# Altium PCB 蓝桥杯2.0.PcbDoc (part 1 of 2)
Units mm, origin at the board's own origin, x right, y up, seen from the top; angles counter-clockwise.
Board outline 200.03 x 140.08 mm, 2 copper layers (Top Layer, Bottom Layer); 155 components, 169 nets, 963 pads, 197 vias.
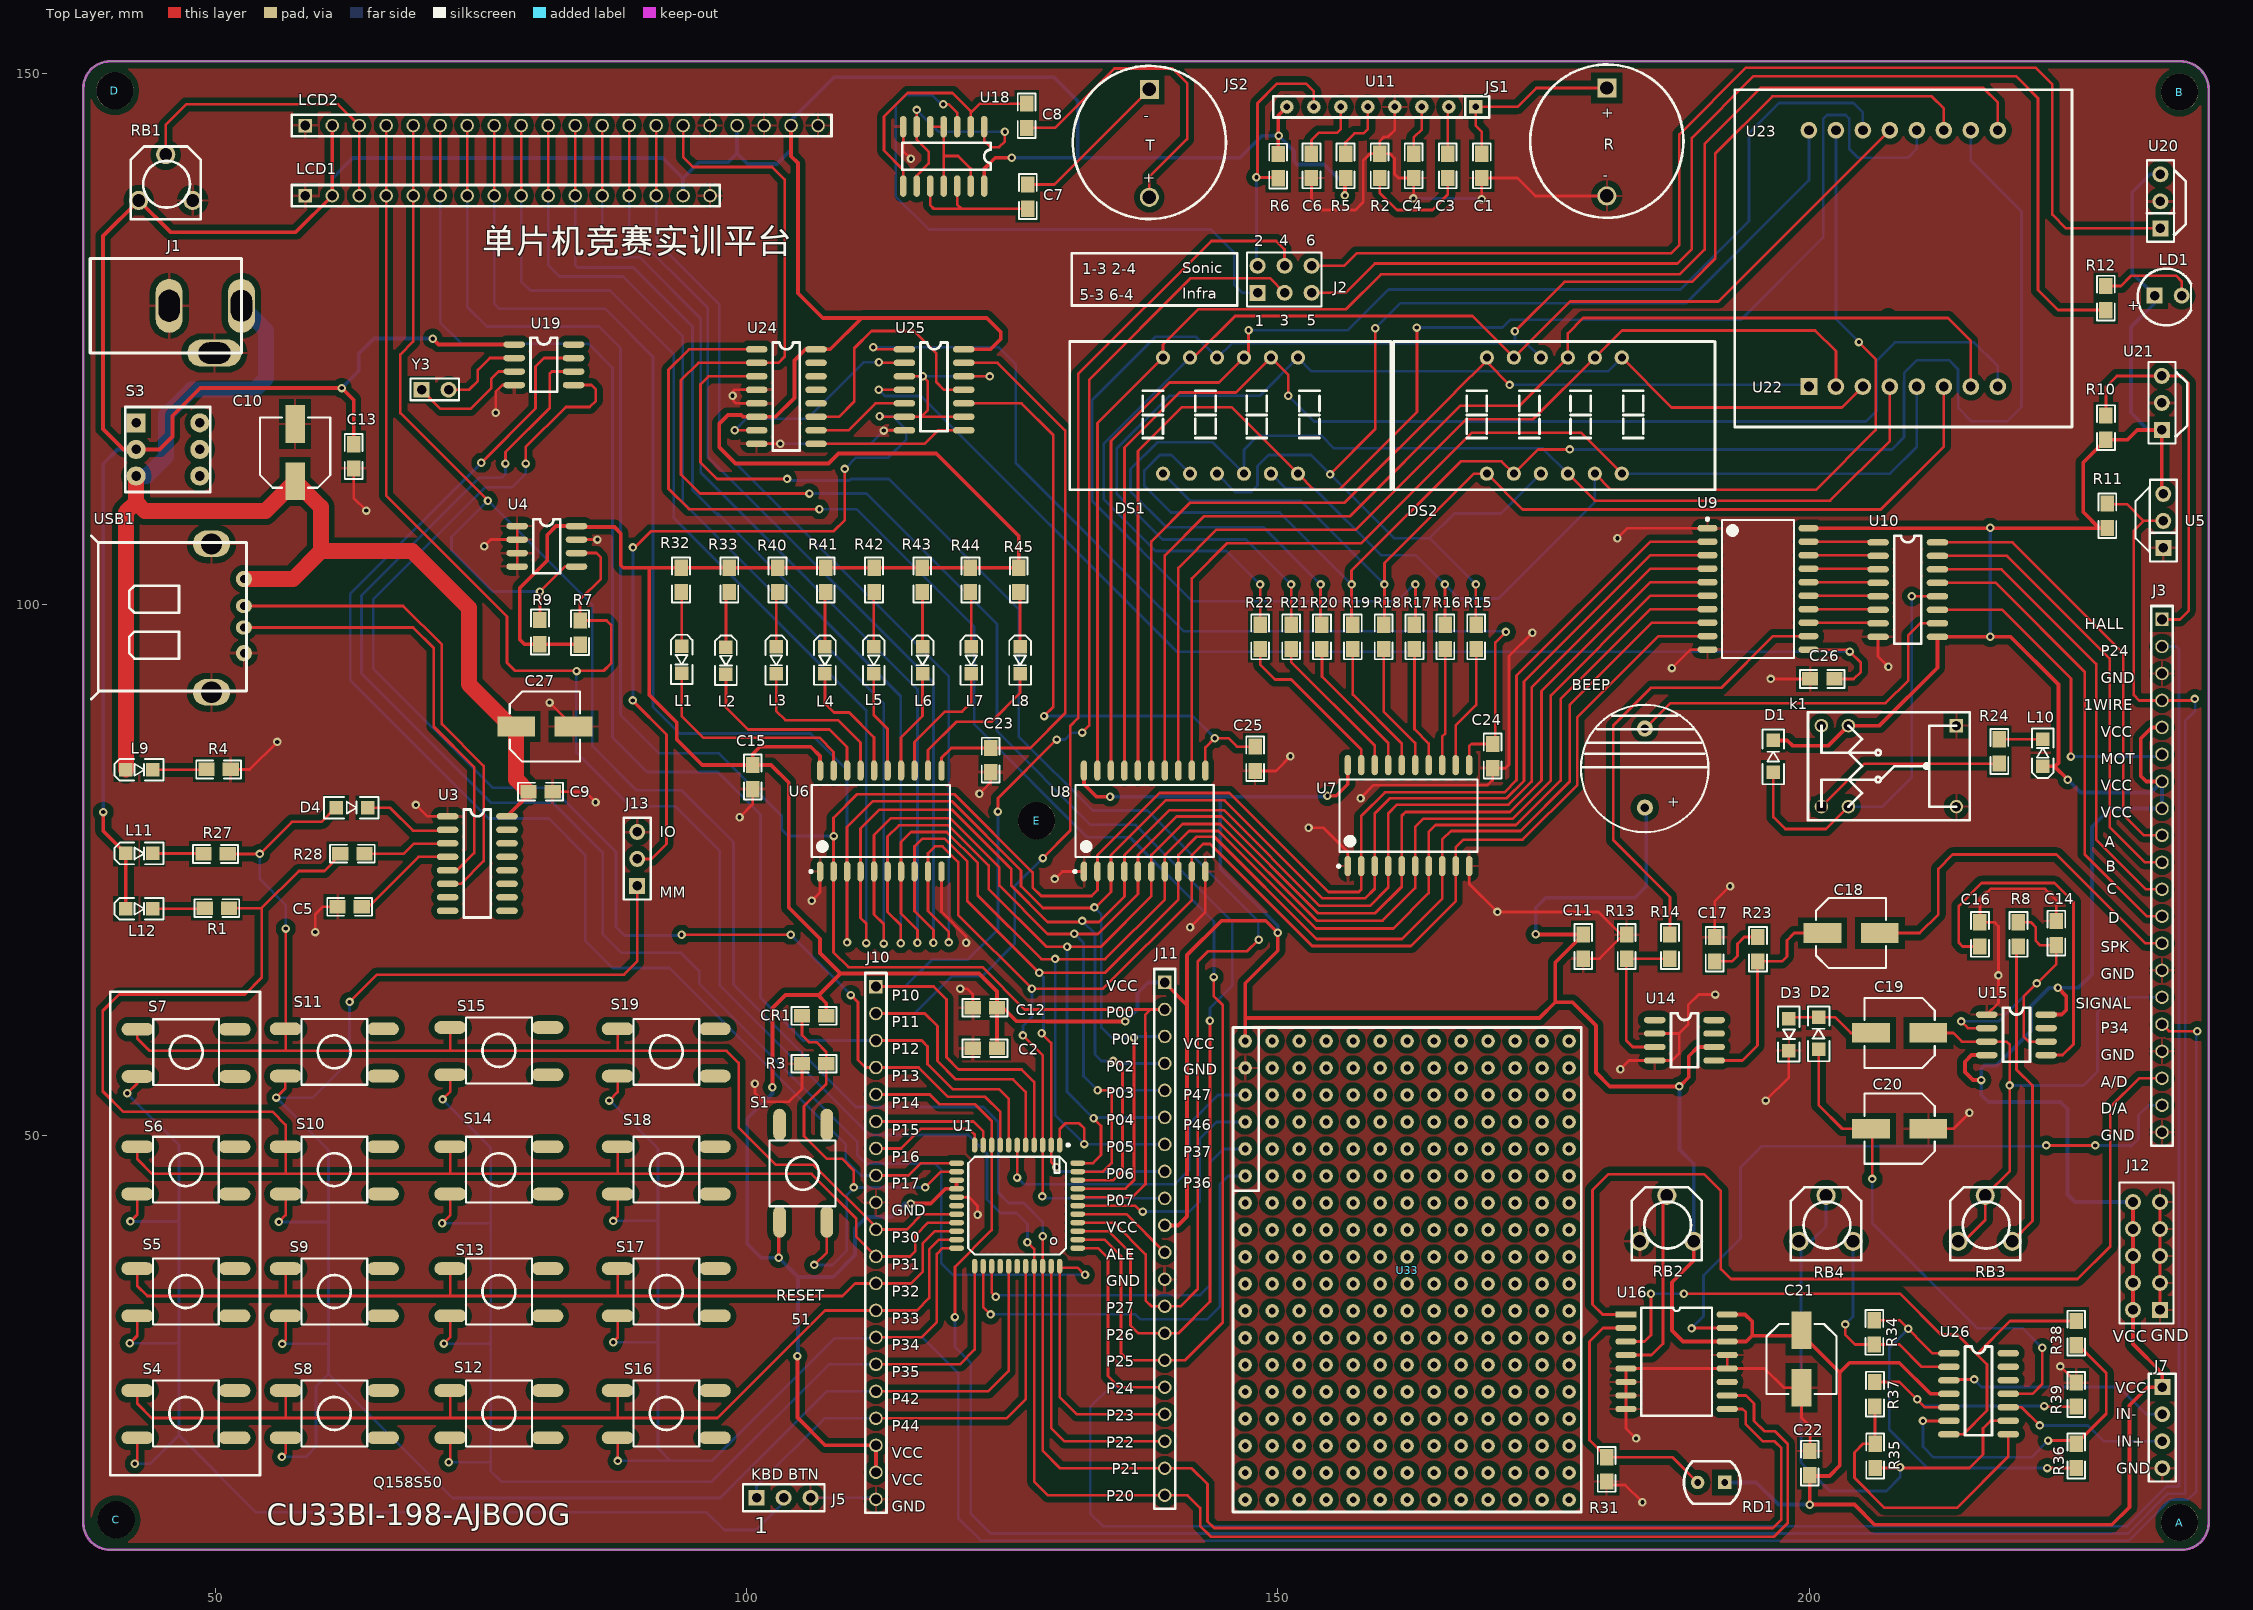
[diagram p0: Top Layer view]
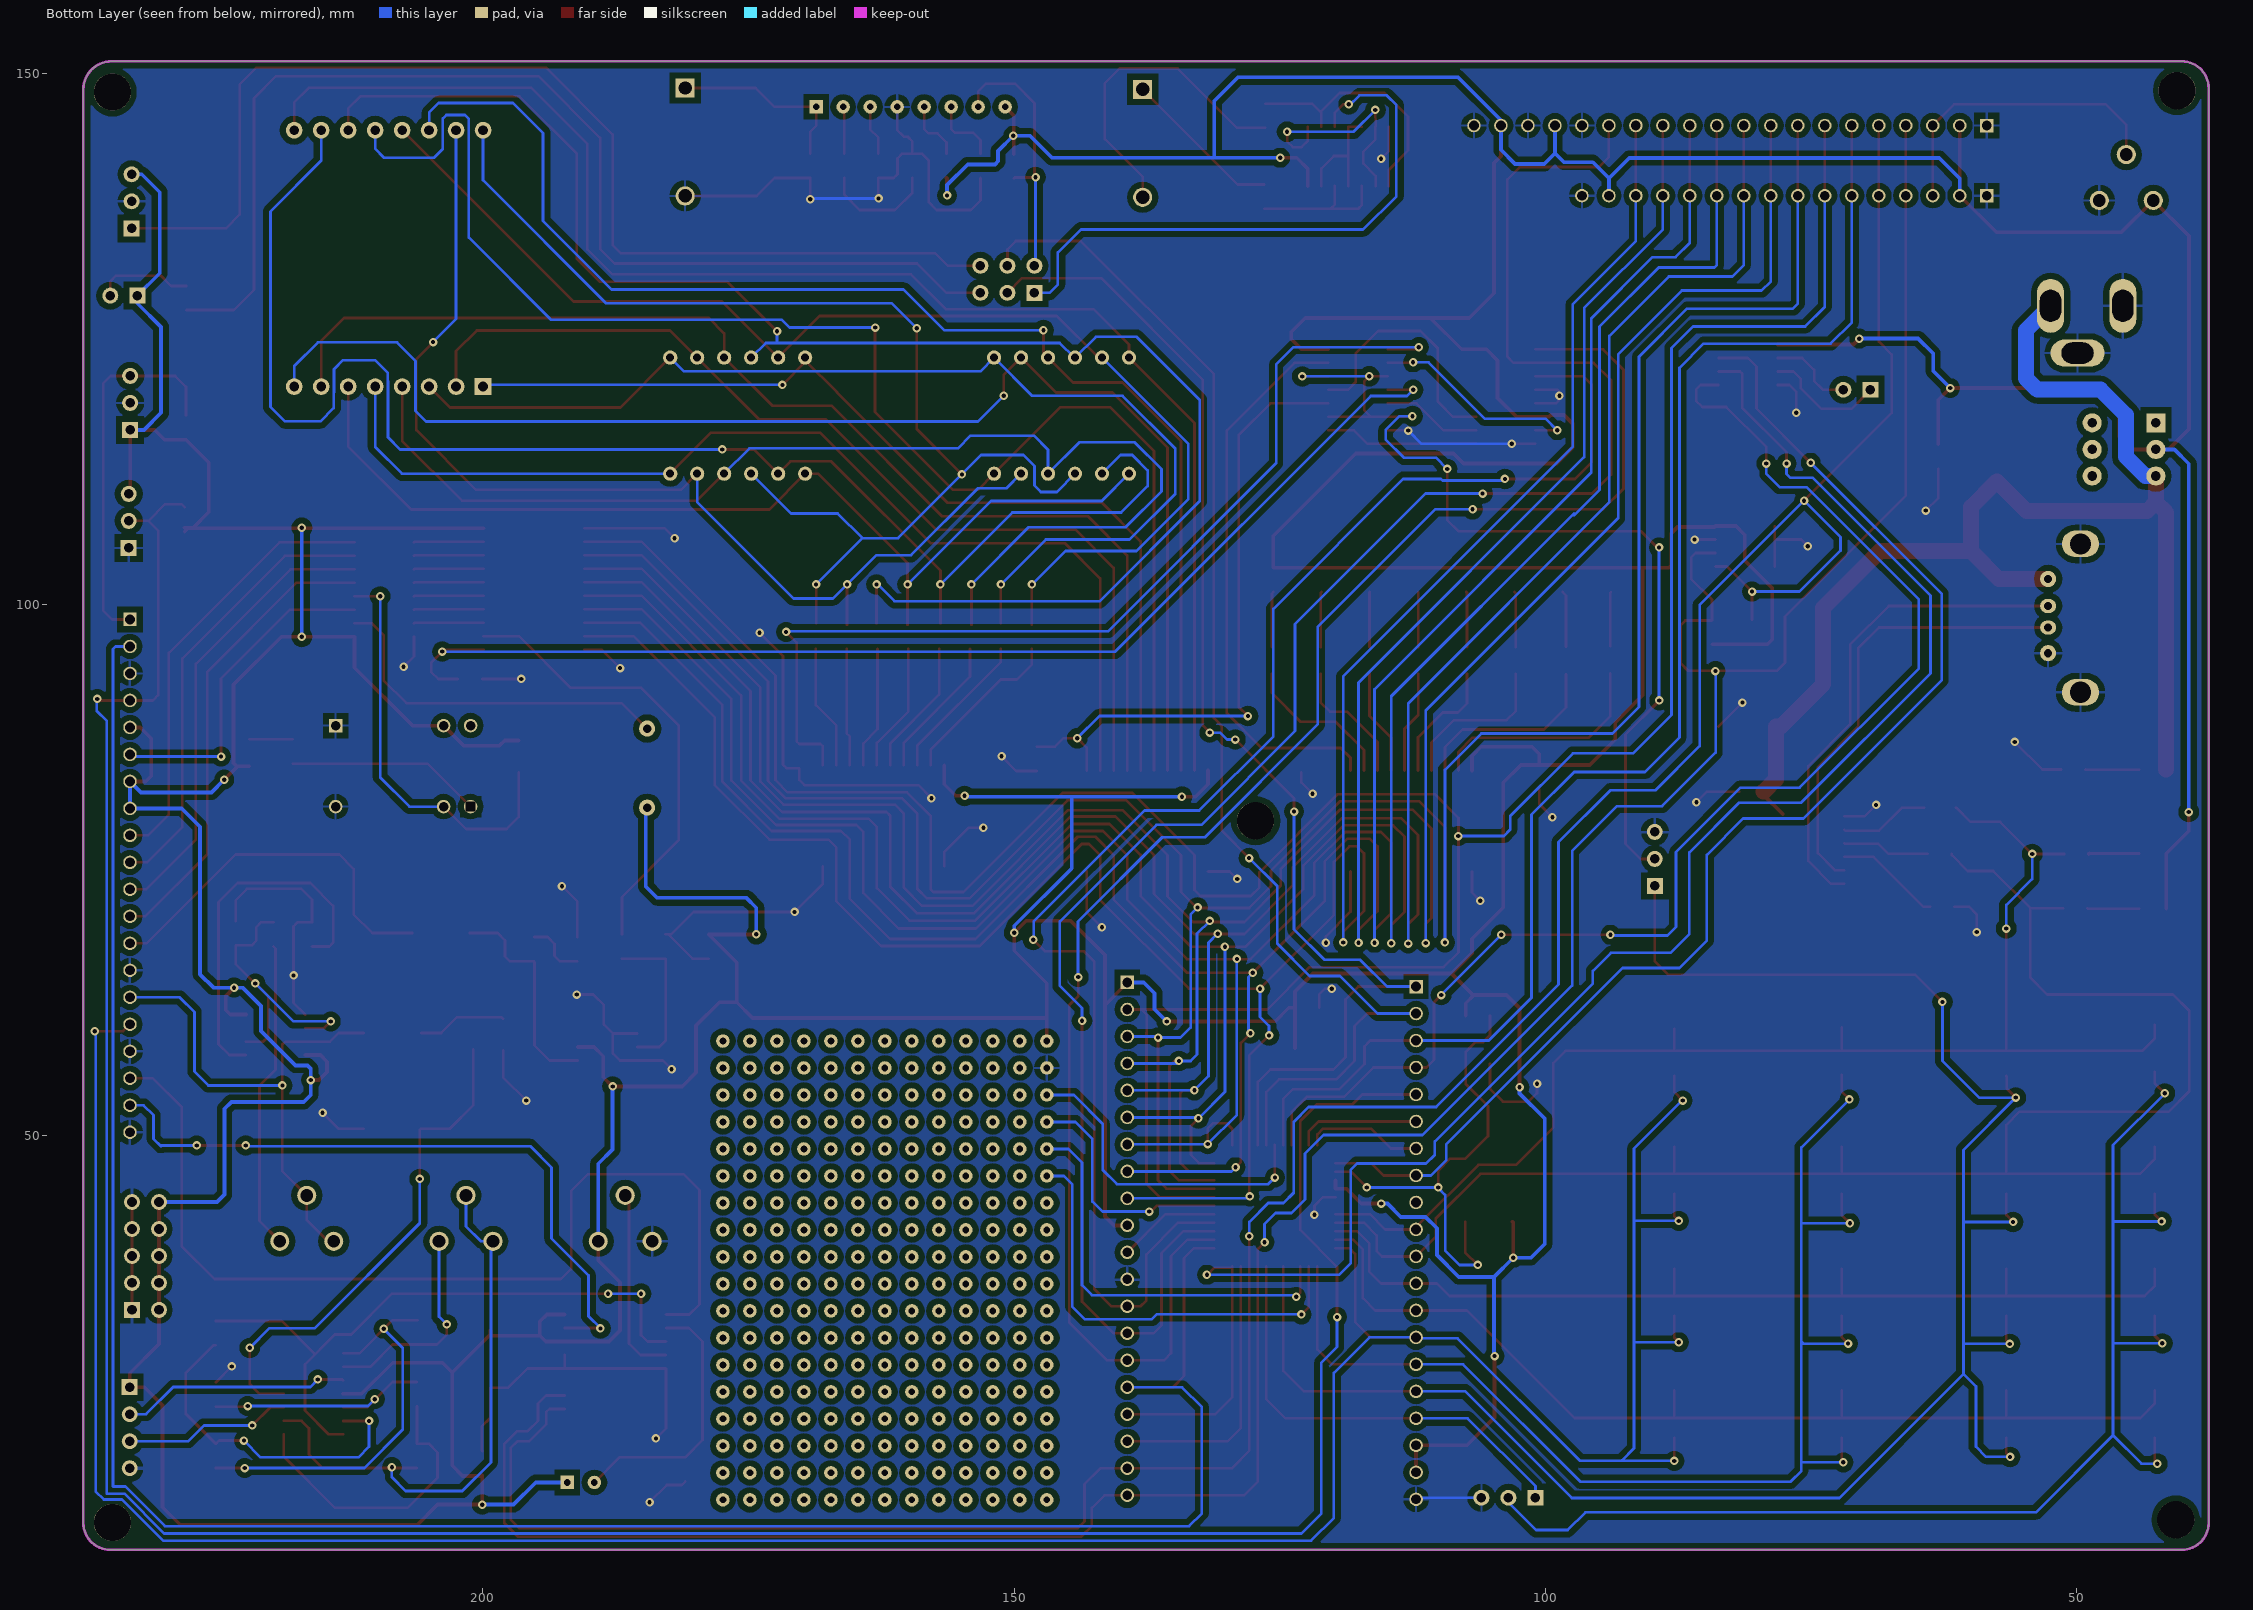
[diagram p1: Bottom Layer view, seen from below]

## Layer stack, top to bottom
Top Layer: signal copper 0.0356
Dielectric: dielectric 0.32, FR-4, Dk 4.8
Bottom Layer: signal copper 0.0356

## Board outline
37.592,13.589 ccw(c40.132,13.589) 40.132,11.049 235.077,11.049 ccw(c235.077,13.589) 237.617,13.589 237.617,148.463 ccw(c234.95,148.463) 234.95,151.13 40.132,151.13 ccw(c40.132,148.59) 37.592,148.59

## Design rules (kind name [scope] priority, off if disabled: settings)
AssemblyTestPointUsage UnpouredPolygon [All] p2:
Clearance via_clearance [isvia] p1: gap=0.55
Clearance POLY [InPolygon] p2: gap=0.55
Clearance all [All] p3: gap=0.29
DiffPairsRouting DiffPair_90DiffPairsRouting [InDifferentialPairClass('90OM')] p1: maxlimit=0.178 minlimit=0.178 mostfreqgap=0.178 maxuncoupledlength=12.7
MatchedLengths DiffPair_90MatchedLengths [InDifferentialPair ('D_D')] p1: tolerance=25.4 checknetsindiffpair=FALSE checkdiffpairvsdiffpair=TRUE checkothers=TRUE
MinimumSolderMaskSliver SilkToSolderMaskClearance [IsPad] p2: minsoldermaskwidth=0.254
PolygonConnect via [IsVia] p1: connectstyle=Direct reliefconductorwidth=0.254 reliefentries=4 polygonreliefangle="90 Angle"
PolygonConnect other [All] p2: connectstyle=Relief reliefconductorwidth=0.254 reliefentries=4 polygonreliefangle="90 Angle"
RoutingVias [All] p1: holewidth=0.4 width=0.8 viastyle="Through Hole" minholewidth=0.4 minwidth=0.8 maxholewidth=0.4 maxwidth=0.8
SilkToSilkClearance [All] p1: silktosilkclearance=0.051
SilkscreenOverComponentPads [All] p1: minsilkscreentomaskgap=0.254
SolderMaskExpansion [All] p1: expansion=0.064
Width VCCA [InNetClass('VCCA')] p1: maxlimit=2 minlimit=2 preferedwidth=2
Width VCC [InNetClass('VCC')] p2: maxlimit=1 minlimit=0.354 preferedwidth=0.354
Width SIGNAL [InNetClass('SIGNAL')] p3: maxlimit=0.254 minlimit=0.254 preferedwidth=0.254
25 further rules are at their usual default settings.

## Components (designator, comment, footprint, x,y, rotation, side; value= is the part's Value field where it differs from the comment)
A "螺丝孔" LUOSIKONG 234.188,13.589 r90 top
B "螺丝孔" LUOSIKONG 234.188,148.209 r90 top
BEEP "BELL" BUZZER 185.801,84.074 r180 top
C "螺丝孔" LUOSIKONG 40.005,13.843 r90 top
C1 "0.1U" C0805 169.164,141.148 r90 top
C2 "0.1U" C0805 122.301,58.293 r0 top
C3 "1U" C0805 165.956,141.148 r90 top
C4 "3.3U" C0805 162.749,141.148 r90 top
C5 "0.1U" C0805 62.516,71.597 r0 top
C6 "330P" C0805 153.126,141.148 r90 top
C7 "0.1U" C0805 126.435,138.251 r90 top
C8 "0.1U" C0805 126.425,146.15 r270 top
C9 "0.1U" C0805 80.775,82.35 r180 top
C10 "47U" "RVT 16V" 57.531,114.3 r90 top
C11 "0.1U" C0805 178.71,67.672 r90 top
C12 "0.1U" C0805 122.301,62.103 r0 top
C13 "0.1U" C0805 62.992,113.792 r90 top
C14 "0.1U" C0805 223.325,69.225 r270 top
C15 "0.1U" C0805 100.55,83.625 r90 top
C16 "0.1U" C0805 216.044,68.815 r90 top
C17 "0.1U" C0805 191.073,67.418 r90 top
C18 "47U" "RVT 16V" 203.962,69.088 r0 top
C19 "47U" "RVT 16V" 208.534,59.69 r180 top
C20 "47U" "RVT 16V" 208.534,50.673 r180 top
C21 "10U" "RVT 16V" 199.3,29 r270 top
C22 "0.1U" C0805 200.025,19.05 r90 top
C23 "10P" C0805 122.936,85.217 r90 top
C24 "10P" C0805 170.18,85.598 r90 top
C25 "10P" C0805 147.828,85.344 r90 top
C26 "10P" C0805 201.1,93.05 r0 top
C27 "47U" "RVT 16V" 81.026,88.519 r0 top
CR1 "1U" C0805 106.223,61.341 r0 top
D "螺丝孔" LUOSIKONG 39.878,148.336 r90 top
D1 "D" D-DIODE-0805 197.025,87.025 r90 top
D2 "D" D-DIODE-0805 201.295,60.96 r90 top
D3 "D" D-DIODE-0805 197.725,58.225 r270 top
D4 "1N4148" D-DIODE-0805 64.175,80.5 r0 top
DS1 "DS4X8" DPY-4X8 145.161,118.491 r0 top
DS2 "DS4X8" DPY-4X8 175.641,118.491 r0 top
E "螺丝孔" LUOSIKONG 126.619,79.629 r90 top
J1 "PWR2.5" "PW 2.5" 45.085,127.381 r90 top
J2 "JUMP6" SIP-3X2 152.825,131.4 r0 top
J3 "20PIN" "SIP-20 - duplicate" 232.791,73.66 r0 top
J5 "CON3" SIP-3 103.251,15.621 r0 top
J7 "CON4" SIP-4 232.8,23.975 r270 top
J10 "20PIN" "SIP-20 - duplicate" 111.76,39.116 r0 top
J11 "20PIN" "SIP-20 - duplicate" 138.938,39.497 r0 top
J12 "COM5X2" SIP-5X2 232.029,37.846 r180 top
J13 "CON3" SIP-3 90.043,75.819 r90 top
JS1 "R" RT-16 181.356,144.018 r0 top
JS2 "T" RT-16 138.303,143.891 r0 top
k1 "K2" HK-4100-F 207.645,84.441 r0 top
L1 "LED" L0805#1 93.775,95.125 r270 top
L2 "LED" L0805#2 98.2,95.05 r270 top
L3 "LED" L0805#2 102.929,95.066 r270 top
L4 "LED" L0805#2 107.519,95.066 r270 top
L5 "LED" L0805#2 112.11,95.066 r270 top
L6 "LED" L0805#2 116.7,95.066 r270 top
L7 "LED" L0805#2 121.29,95.066 r270 top
L8 "LED" L0805#2 125.88,95.066 r270 top
L9 "LED" L0805#1 42.545,84.328 r0 top
L10 "LED" L0805#1 222.123,85.725 r90 top
L11 "LED" L0805#1 42.545,76.454 r0 top
L12 "LED" L0805#1 42.545,71.247 r0 top
LCD1 "CON16_LCD16" SIP-16 83.058,140.97 r90 top
LCD2 "CON20_LCD20" SIP-20 80.605,148.082 r90 top
LD1 "Infrared" LED-LNF 233.045,128.905 r0 top
R1 "10K" R0805 49.85,71.325 r180 top
R2 "10" R0805 159.7,140.975 r270 top
R3 "10K" R0805 106.68,56.896 r0 top
R4 "1K" R0805 50.025,84.375 r180 top
R5 "200K" R0805 156.275,141.605 r90 top
R6 "10K" R0805 150.15,140.95 r270 top
R7 "10K" R0805 84.45,97.05 r270 top
R8 "100" R0805 219.604,69.272 r90 top
R9 "10K" R0805 80.675,97.1 r270 top
R10 "1K" R0805 227.838,116.967 r90 top
R11 "10K" R0805 227.975,108.675 r90 top
R12 "1K" R0805 227.825,129.15 r90 top
R13 "10K" R0805 182.73,68.129 r90 top
R14 "10K" R0805 186.809,68.129 r90 top
R15 "300" R0805 168.783,96.647 r270 top
R16 "300" R0805 165.88,96.647 r270 top
R17 "300" R0805 162.977,96.647 r270 top
R18 "300" R0805 160.074,96.647 r270 top
R19 "300" R0805 157.172,96.647 r270 top
R20 "300" R0805 154.269,96.647 r270 top
R21 "300" R0805 151.366,96.647 r270 top
R22 "300" R0805 148.45,96.647 r270 top
R23 "10" R0805 195.093,67.875 r90 top
R24 "300" R0805 217.805,86.487 r90 top
R27 "10K" R0805 49.725,76.425 r180 top
R28 "300" R0805 62.6,76.45 r180 top
R31 "10K" R0805 180.848,18.923 r90 top
R32 "300" R0805 93.957,102.008 r270 top
R33 "300" R0805 98.496,102.008 r270 top
R34 "100K" R0805 206.25,31.2 r270 top
R35 "100K" R0805 206.121,20.193 r90 top
R36 "100K" R0805 225.044,20.193 r90 top
R37 "100K" R0805 206.1,26 r90 top
R38 "100K" R0805 225.044,31.75 r90 top
R39 "100K" R0805 225.044,25.971 r90 top
R40 "300" R0805 103.035,102.008 r270 top
R41 "300" R0805 107.575,102.008 r270 top
R42 "300" R0805 112.114,102.008 r270 top
R43 "300" R0805 116.654,102.008 r270 top
R44 "300" R0805 121.193,102.008 r270 top
R45 "300" R0805 125.732,102.008 r270 top
RB1 "10K" "VR-3 10" 35.9,134.275 r0 top
RB2 "10K" "VR-3 10" 177.165,36.322 r0 top
RB3 "RB" "VR-3 10" 207.137,36.322 r0 top
RB4 "10K" "VR-3 10" 192.151,36.322 r0 top
RD1 "RD" AXIAL-0.2 190.754,17.526 r180 top
S1 "SW" SKOE 105.283,46.482 r90 top
S3 "SW LATCH" SW-PB 45.72,114.681 r0 top
S4 "SW-PB" SKOE 47.244,23.876 r0 top
S5 "SW-PB" SKOE 47.244,35.348 r0 top
S6 "SW-PB" SKOE 47.244,46.821 r0 top
S7 "SW-PB" SKOE 47.275,57.875 r0 top
S8 "SW-PB" SKOE 61.214,23.876 r0 top
S9 "SW-PB" SKOE 61.214,35.348 r0 top
S10 "SW-PB" SKOE 61.214,46.821 r0 top
S11 "SW-PB" SKOE 61.214,57.912 r0 top
S12 "SW-PB" SKOE 76.708,23.876 r0 top
S13 "SW-PB" SKOE 76.708,35.348 r0 top
S14 "SW-PB" SKOE 76.708,46.821 r0 top
S15 "SW-PB" SKOE 76.708,58.039 r0 top
S16 "SW-PB" SKOE 92.456,23.876 r0 top
S17 "SW-PB" SKOE 92.456,35.348 r0 top
S18 "SW-PB" SKOE 92.456,46.821 r0 top
S19 "SW-PB" SKOE 92.456,57.912 r0 top
U1 "U_IAP15F2K61S2" "LQFP44 - duplicate" 125.603,43.307 r180 top
U3 "CH340C" SOP-16 74.803,75.819 r0 top
U4 "AT24C02" SOP-8 81.788,105.537 r0 top
U5 "18B20" TO-92 233.299,107.823 r90 top
U6 "M74HC573M1R" TSOP-20(宽体) 112.649,79.629 r90 top
U7 "M74HC573M1R" TSOP-20(宽体) 162.306,80.137 r90 top
U8 "M74HC573M1R" TSOP-20(宽体) 137.477,79.629 r90 top
U9 "M74HC573M1R" TSOP-20(宽体) 195.199,101.473 r0 top
U10 "ULM2003" SOP-16 209.423,101.6 r0 top
U11 "CX20106A" DIP-8 159.639,147.32 r0 top
U14 "LM386" SOP-8 188.849,59.055 r0 top
U15 "NE555" SOP-8 220.091,59.563 r0 top
U16 "PCF8951" TSOP-16(宽体) 187.6,29.225 r0 top
U18 "74LS04" SOP-14 118.237,139.7 r270 top
U19 "DS1302" SOP-8 81.513,122.624 r0 top
U20 "1838" TO-92-A 234.188,137.922 r90 top
U21 "HALL" TO92-3 233.68,118.999 r90 top
U23 "DS8X8" DPY-8X8 206.375,133.223 r0 top (schematic designator U22)
U24 "74HC138" SOP-16 103.886,119.77 r0 top
U25 "74HC02" SOP-14 120.142,119.888 r0 top
U26 "LM324" SOP-14 218.44,25.4 r0 top
U33 "" D0 146.939,58.928 r0 top
USB1 "USB_A" USB-B 45.847,98.425 r180 top
Y3 "32.768" XTAL1-37K 70.675,118.6 r0 top

## Footprints (in the part's own frame and the unit in brackets; to place one, negate y for a bottom-side part, rotate by r counter-clockwise, add the part's x,y. Pads: shape width x height; smd on the part's side, far side on the other; paste and mask are expansions set on the pad)
AXIAL-0.2 [mm]
  rect 1.27x1.27 hole 0.635: 1(-1.305,0.143)
  round 1.27 hole 0.635: 2(1.235,0.143)
  silkscreen extent -2.8,-1.86 2.52,2.14, body extent -2.13,-1.75 1.87,2.25, height 3
BUZZER [mil]
  round 60 hole 31.5: 1(48.96,125.32) 2(48.96,-167.59)
  silkscreen extent -186,-256 286,217, body extent -184,-253 288,219, height 354
C0805 [mil]
  rect 60x50 smd: 1(-39.26,-1.84) 2(50.74,-1.84)
  silkscreen extent -77,-35 89,31, body extent -54,-28 64,27, height 37
D0 [mm]
  round 1.27 hole 0.635: 1(0,0) 2(0,-2.54) 3(0,-5.08) 4(0,-7.62) 5(0,-10.16) 6(0,-12.7) 7(0,-15.24) 7(2.54,-43.18) 7(2.54,-40.64) 7(2.54,-38.1) 7(2.54,-35.56) 7(2.54,-33.02) 7(2.54,-30.48) 7(2.54,-27.94) 7(2.54,-25.4) 7(2.54,-22.86) 7(2.54,-20.32) 7(2.54,-17.78) 7(2.54,-15.24) 7(2.54,-12.7) 7(2.54,-10.16) 7(2.54,-7.62) 7(2.54,-5.08) 7(2.54,-2.54) 7(2.54,0) 7(5.08,-43.18) 7(5.08,-40.64) 7(5.08,-38.1) 7(5.08,-35.56) 7(5.08,-33.02) 7(5.08,-30.48) 7(5.08,-27.94) 7(5.08,-25.4) 7(5.08,-22.86) 7(5.08,-20.32) 7(5.08,-17.78) 7(5.08,-15.24) 7(5.08,-12.7) 7(5.08,-10.16) 7(5.08,-7.62) 7(5.08,-5.08) 7(5.08,-2.54) 7(5.08,0) 7(7.62,-43.18) 7(7.62,-40.64) 7(7.62,-38.1) 7(7.62,-35.56) 7(7.62,-33.02) 7(7.62,-30.48) 7(7.62,-27.94) 7(7.62,-25.4) 7(7.62,-22.86) 7(7.62,-20.32) 7(7.62,-17.78) 7(7.62,-15.24) 7(7.62,-12.7) 7(7.62,-10.16) 7(7.62,-7.62) 7(7.62,-5.08) 7(7.62,-2.54) 7(7.62,0) 7(10.16,-43.18) 7(10.16,-40.64) 7(10.16,-38.1) 7(10.16,-35.56) 7(10.16,-33.02) 7(10.16,-30.48) 7(10.16,-27.94) 7(10.16,-25.4) 7(10.16,-22.86) 7(10.16,-20.32) 7(10.16,-17.78) 7(10.16,-15.24) 7(10.16,-12.7) 7(10.16,-10.16) 7(10.16,-7.62) 7(10.16,-5.08) 7(10.16,-2.54) 7(10.16,0) 7(12.7,-43.18) 7(12.7,-40.64) 7(12.7,-38.1) 7(12.7,-35.56) 7(12.7,-33.02) 7(12.7,-30.48) 7(12.7,-27.94) 7(12.7,-25.4) 7(12.7,-22.86) 7(12.7,-20.32) 7(12.7,-17.78) 7(12.7,-15.24) 7(12.7,-12.7) 7(12.7,-10.16) 7(12.7,-7.62) 7(12.7,-5.08) 7(12.7,-2.54) 7(12.7,0) 7(15.24,-43.18) 7(15.24,-40.64) 7(15.24,-38.1) 7(15.24,-35.56) 7(15.24,-33.02) 7(15.24,-30.48) 7(15.24,-27.94) 7(15.24,-25.4) 7(15.24,-22.86) 7(15.24,-20.32) 7(15.24,-17.78) 7(15.24,-15.24) 7(15.24,-12.7) 7(15.24,-10.16) 7(15.24,-7.62) 7(15.24,-5.08) 7(15.24,-2.54) 7(15.24,0) 7(17.78,-43.18) 7(17.78,-40.64) 7(17.78,-38.1) 7(17.78,-35.56) 7(17.78,-33.02) 7(17.78,-30.48) 7(17.78,-27.94) 7(17.78,-25.4) 7(17.78,-22.86) 7(17.78,-20.32) 7(17.78,-17.78) 7(17.78,-15.24) 7(17.78,-12.7) 7(17.78,-10.16) 7(17.78,-7.62) 7(17.78,-5.08) 7(17.78,-2.54) 7(17.78,0) 7(20.32,-43.18) 7(20.32,-40.64) 7(20.32,-38.1) 7(20.32,-35.56) 7(20.32,-33.02) 7(20.32,-30.48) 7(20.32,-27.94) 7(20.32,-25.4) 7(20.32,-22.86) 7(20.32,-20.32) 7(20.32,-17.78) 7(20.32,-15.24) 7(20.32,-12.7) 7(20.32,-10.16) 7(20.32,-7.62) 7(20.32,-5.08) 7(20.32,-2.54) 7(20.32,0) 7(22.86,-43.18) 7(22.86,-40.64) 7(22.86,-38.1) 7(22.86,-35.56) 7(22.86,-33.02) 7(22.86,-30.48) 7(22.86,-27.94) 7(22.86,-25.4) 7(22.86,-22.86) 7(22.86,-20.32) 7(22.86,-17.78) 7(22.86,-15.24) 7(22.86,-12.7) 7(22.86,-10.16) 7(22.86,-7.62) 7(22.86,-5.08) 7(22.86,-2.54) 7(22.86,0) 7(25.4,-43.18) 7(25.4,-40.64) 7(25.4,-38.1) 7(25.4,-35.56) 7(25.4,-33.02) 7(25.4,-30.48) 7(25.4,-27.94) 7(25.4,-25.4) 7(25.4,-22.86) 7(25.4,-20.32) 7(25.4,-17.78) 7(25.4,-15.24) 7(25.4,-12.7) 7(25.4,-10.16) 7(25.4,-7.62) 7(25.4,-5.08) 7(25.4,-2.54) 7(25.4,0) 7(27.94,-43.18) 7(27.94,-40.64) 7(27.94,-38.1) 7(27.94,-35.56) 7(27.94,-33.02) 7(27.94,-30.48) 7(27.94,-27.94) 7(27.94,-25.4) 7(27.94,-22.86) 7(27.94,-20.32) 7(27.94,-17.78) 7(27.94,-15.24) 7(27.94,-12.7) 7(27.94,-10.16) 7(27.94,-7.62) 7(27.94,-5.08) 7(27.94,-2.54) 7(27.94,0) 8(0,-17.78) 9(0,-20.32) 10(0,-22.86) 11(0,-25.4) 12(0,-27.94) 13(0,-30.48) 14(0,-33.02) 15(0,-35.56) 16(0,-38.1) 17(0,-40.64) 18(0,-43.18) 19(30.48,-43.18) 20(30.48,-40.64) 21(30.48,-38.1) 22(30.48,-35.56) 23(30.48,-33.02) 24(30.48,-30.48) 25(30.48,-27.94) 26(30.48,-25.4) 27(30.48,-22.86) 28(30.48,-20.32) 29(30.48,-17.78) 30(30.48,-15.24) 31(30.48,-12.7) 32(30.48,-10.16) 33(30.48,-7.62) 34(30.48,-5.08) 35(30.48,-2.54) 36(30.48,0)
  silkscreen extent -1.14,-44.32 31.62,1.27
D-DIODE-0805 [mil]
  rect 50x50 smd: 1(-110,15) 2(7.58,14.94)
  silkscreen extent -155,-25 48,55, body extent -119,-15 19,45, height 55
DIP-8 [mm]
  rect 1.27x1.27 hole 0.635: 1(9.003,-0.479)
  round 1.27 hole 0.635: 2(6.463,-0.479) 3(3.923,-0.479) 4(1.383,-0.479) 5(-1.157,-0.479) 6(-3.697,-0.479) 7(-6.237,-0.479) 8(-8.777,-0.479)
  silkscreen extent -10.05,-1.48 10.27,0.52, body extent -10.04,-1.93 10.24,0.87, height 5.08
DPY-4X8 [mm]
  round 1.34 hole 0.762: 1(-3.419,4.75) 2(6.741,4.75) 3(1.661,-6.172) 4(-3.419,-6.172) 5(-5.959,-6.172) 6(-0.879,4.75) 7(4.201,-6.172) 8(-0.879,-6.172) 9(-5.959,4.75) 10(1.661,4.75) 11(4.201,4.75) 12(6.741,-6.172)
  silkscreen extent -14.72,-7.7 15.5,6.27, body extent -14.75,-7.69 15.25,6.31, height 7.2
DPY-8X8 [mil]
  rect 62x62 hole 36: 1(-251.33,-500.29)
  round 62 hole 36: 2(-151.33,-500.29) 3(-51.33,-500.29) 4(48.67,-500.29) 5(148.67,-500.29) 6(248.67,-500.29) 7(348.67,-500.29) 8(448.67,-500.29) 9(448.67,449.71) 10(348.67,449.71) 11(248.67,449.71) 12(148.67,449.71) 13(48.67,449.71) 14(-51.33,449.71) 15(-151.33,449.71) 16(-251.33,449.71)
  silkscreen extent -526,-650 724,600
HK-4100-F [mil]
  round 50 hole 35: 1(245,-136) 2(-255,164) 4(-155,-136) 5(-155,164)
  rect 50x50 hole 35: 1(245,164)
  round 50 hole 35 square: 3(-255,-136)
  silkscreen extent -305,-186 295,214, body extent -315,-195 303,214, height 465
L0805#1 [mm]
  rect 1.27x1.27 smd: 1(-0.95,0.126) 2(1.59,0.126)
  silkscreen extent -2.03,-0.89 2.61,1.14, body extent -0.81,-0.51 1.22,0.76, height 1.1
L0805#2 [mm]
  rect 1.27x1.27 smd: 1(-0.95,-0.126) 2(1.59,-0.126)
  silkscreen extent -2.03,-1.14 2.61,0.89, body extent -0.81,-0.76 1.22,0.51, height 1.1
LED-LNF [mm]
  rect 1.5x1.5 hole 0.9: 1(-0.514,0.168)
  round 1.5 hole 0.9: 2(2.026,0.168)
  silkscreen extent -2.12,-2.63 2.9,2.71
"LQFP44 - duplicate" [mm]
  oval 0.5x1.4 smd: 1(-3.873,-5.827) 2(-3.073,-5.827) 3(-2.273,-5.827) 4(-1.473,-5.827) 5(-0.673,-5.827) 6(0.127,-5.827) 7(0.927,-5.827) 8(1.727,-5.827) 9(2.527,-5.827) 10(3.327,-5.827) 11(4.127,-5.827) 23(4.127,5.573) 24(3.327,5.573) 25(2.527,5.573) 26(1.727,5.573) 27(0.927,5.573) 28(0.127,5.573) 29(-0.673,5.573) 30(-1.473,5.573) 31(-2.273,5.573) 32(-3.073,5.573) 33(-3.873,5.573)
  oval 1.4x0.5 smd: 12(5.827,-4.127) 13(5.827,-3.327) 14(5.827,-2.527) 15(5.827,-1.727) 16(5.827,-0.927) 17(5.827,-0.127) 18(5.827,0.673) 19(5.827,1.473) 20(5.827,2.273) 21(5.827,3.073) 22(5.827,3.873) 34(-5.573,3.873) 35(-5.573,3.073) 36(-5.573,2.273) 37(-5.573,1.473) 38(-5.573,0.673) 39(-5.573,-0.127) 40(-5.573,-0.927) 41(-5.573,-1.727) 42(-5.573,-2.527) 43(-5.573,-3.327) 44(-5.573,-4.127)